# Altium PCB roach2.PcbDoc (part 33 of 39)
Units mil, origin at the board's own origin, x right, y up, seen from the top; angles counter-clockwise.
Board outline 12007.87 x 9606.3 mil, 16 copper layers (L1_TOP, L2_G, L3_S, L4_G, L5_S, L6_P, L7_G, L8_R, L9_R, L10_P, L11_P, L12_S, L13_P, L14_S, L15_G, L16_BOT), stack 81.651 mil thick; 1608 components, 1934 nets, 9335 pads, 6759 vias.
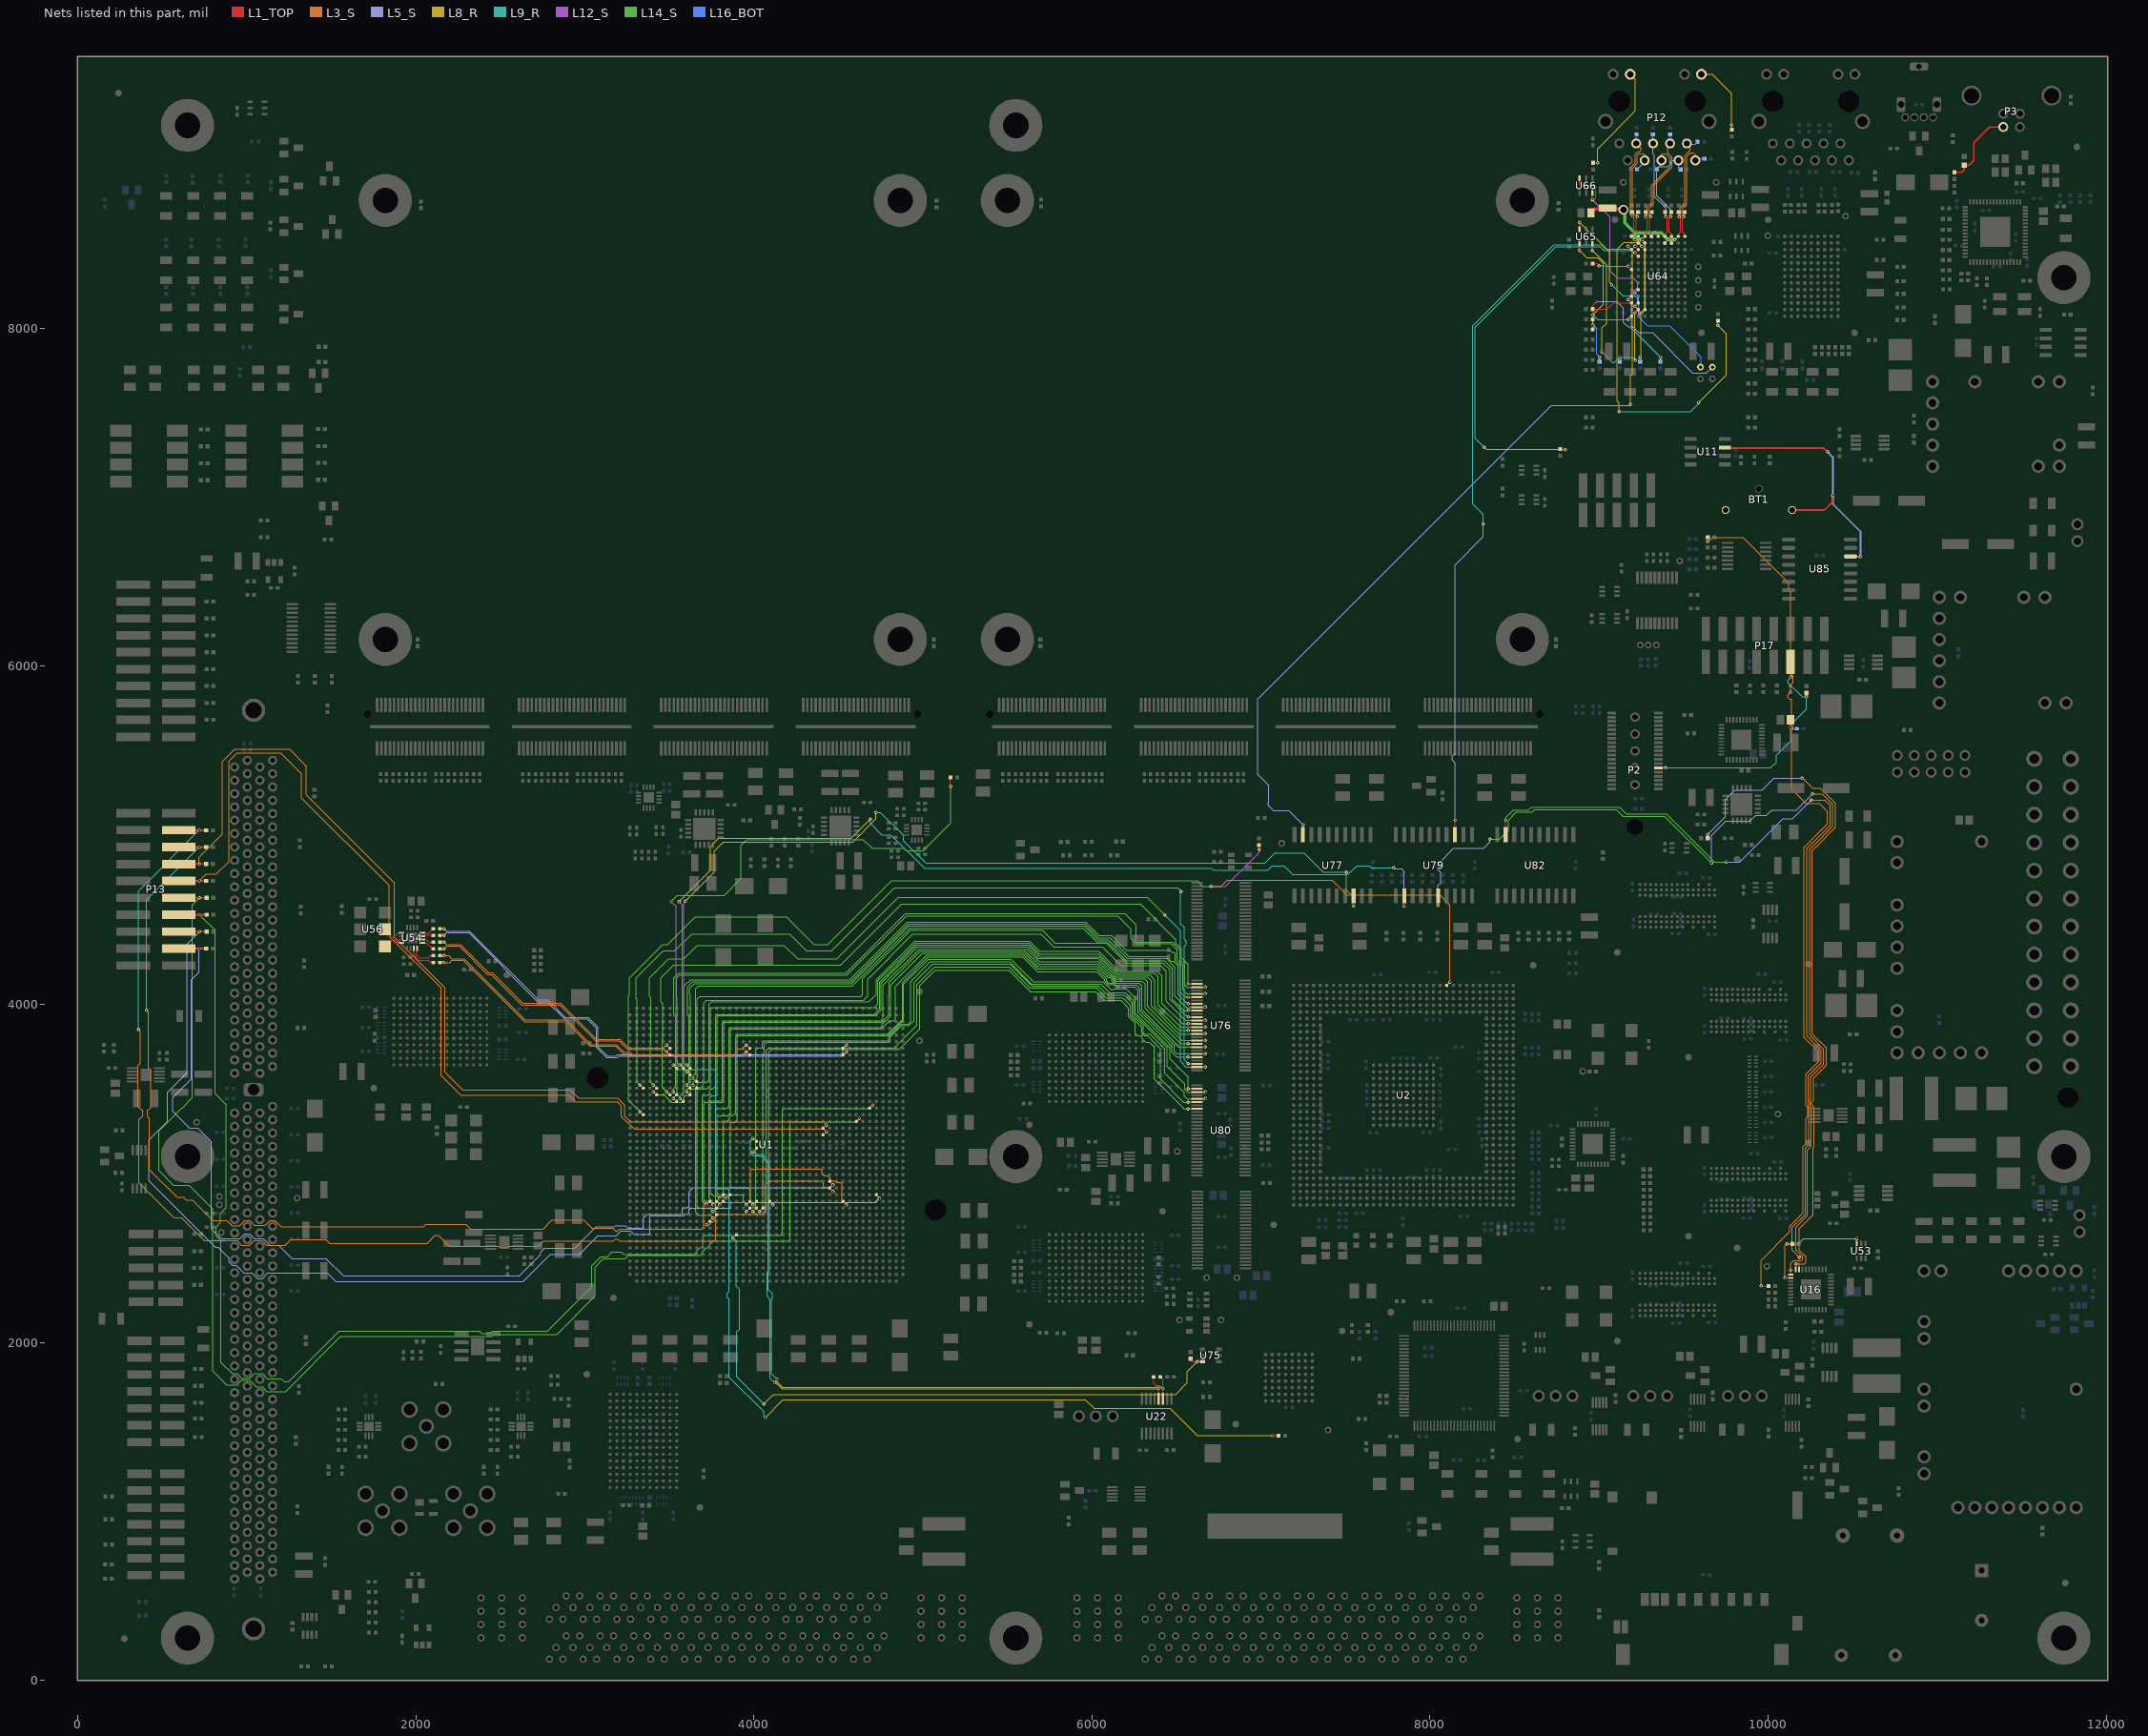
[diagram p47: the nets of this part, all layers, seen from the top]

## Via types
v1: diameter 19.4, hole 10, L1_TOP to L16_BOT, tented both sides, 3354 vias
v2: diameter 19.4, hole 10, L1_TOP to L16_BOT, 1884 vias
v3: diameter 19.4, hole 10, L1_TOP to L16_BOT, tented top, 410 vias
v4: diameter 18.6, hole 10, L1_TOP to L16_BOT, tented both sides, 311 vias
v5: diameter 59.06, hole 39.37, L1_TOP to L16_BOT, 217 vias
v6: diameter 19, hole 10, L1_TOP to L16_BOT, 198 vias
v7: diameter 19.4, hole 10.04, L1_TOP to L16_BOT, 125 vias
v8: diameter 19.4, hole 10, L1_TOP to L16_BOT, tented bottom, 80 vias
v9: diameter 25.98, hole 12.99, L1_TOP to L16_BOT, tented top, 59 vias
v10: diameter 20, hole 10, L1_TOP to L16_BOT, 52 vias
v11: diameter 59.06, hole 39.37, L1_TOP to L16_BOT, tented top, 44 vias
v12: diameter 20, hole 10, L1_TOP to L16_BOT, tented top, 16 vias
v13: diameter 19, hole 10, L1_TOP to L16_BOT, tented top, 5 vias
v14: diameter 50, hole 28, L1_TOP to L16_BOT, 4 vias

## Nets (pads, with @x,y where several pads share a name; then routed paths per layer and width w, separated by ;. In a path a pad name is that pad's centre, name@x,y a point inside that pad or via, vN(x,y) a via of type N, cw(c..) or ccw(c..) an arc to the next point about the centre after c; other vN are vias at no path point) (continued)
V6_GPIO8: P13.17 SP28.2 U1.M28 | length 7189.3
  L1_TOP w5: U1.M28@4447.92,2911.85 v1(4467.61,2892.16)
  L1_TOP w10: P13.17@598.03,5030.79 598.82,5030 v6(719,5030) SP28.2@760,5030
  L3_S w3.8: v6(360,3852) 371.39,3840.61 371.39,3652.14 357.79,3638.54 357.79,3395.8 384.77,3368.82 384.77,3339.47 362.99,3317.69 362.99,2942.99 568.99,2736.99 612.99,2736.99 747.55,2602.44 942.05,2602.44 969.6,2574.89 1016.85,2574.89 1044.4,2602.44 1091.66,2602.44 1119.2,2574.89 1229.57,2574.89 1263.1,2608.42 1467.67,2608.42 1489.09,2586.99 1640.99,2586.99 ; 1637.99,2586.99 1640.99,2586.99 ; v1(4467.61,2892.16) 4444.21,2915.56 4422.14,2915.56 4412.64,2925.07 4412.64,2940.86 4398.56,2954.93 4087.9,2954.93 4071.19,2938.22 4071.19,2783.19 4046.08,2758.08 3788.62,2758.08 3774.91,2744.38 3774.91,2610.48 3765.41,2600.97 3759.31,2600.97 3758.94,2600.6 3206.43,2600.6 3194.54,2612.49 3181.62,2612.49 3169.73,2600.6 2757.57,2600.6 2725.96,2568.99 2553.04,2568.99 2544.01,2559.96 2503.53,2559.96 2494.5,2568.99 2196.99,2568.99 2132.99,2632.99 2114.99,2632.99 2068.99,2586.99 1640.99,2586.99
  L9_R w3.8: v6(360,3852) 360,4671 v6(719,5030)
V6_GPIO9: P13.15 SP27.2 U1.K30 | length 7124.8
  L1_TOP w5: U1.K30@4526.66,2833.11 v1(4546.35,2813.42)
  L1_TOP w10: P13.15@598.82,4930 v6(719,4930) SP27.2@760,4930
  L3_S w3.8: v6(408,3964) 418.79,3953.21 418.79,3623.25 432.59,3609.45 432.59,3390.52 414.12,3372.05 414.12,3336.24 424.99,3325.36 424.99,3020.99 586.99,2858.99 624.99,2858.99 642.99,2840.99 678.99,2840.99 799.98,2720 880.07,2720 911.1,2688.98 957.56,2688.98 989.13,2720.55 1016.85,2720.55 1044.4,2693 1111.19,2693 1138.74,2720.55 1166.46,2720.55 1202.01,2684.99 2044.99,2684.99 2058.99,2698.99 2296.99,2698.99 2324.99,2670.99 2752.99,2670.99 2804.99,2722.99 2992.99,2722.99 3040.99,2674.99 3166.65,2674.99 3181.62,2660.03 3194.54,2660.03 3206.05,2671.54 3693.54,2671.54 3703.97,2681.97 3703.97,2819.89 3713.11,2829.02 3962.26,2829.02 ; 3962.29,2828.99 3974.99,2828.99 3979.56,2833.56 3979.56,3016.74 3988.7,3025.87 4395.33,3025.87 4404.47,3016.74 4404.47,2999.43 4417.39,2986.5 4437.13,2986.5 4452,2971.64 4452,2964.45 4461.51,2954.93 4477.3,2954.93 4485.1,2947.13 4513.44,2947.13 4522.58,2938 4522.58,2837.19 v1(4546.35,2813.42)
  L9_R w3.8: v6(408,3964) 408,4619 v6(719,4930)
V6_GPIO10: P13.13 SP26.2 U1.N19 | length 5993.7
  L1_TOP w5: U1.N19@4408.55,3266.18 4409.77,3267.4 v1(4428.24,3285.87)
  L1_TOP w10: P13.13@598.82,4830 v6(719,4830) SP26.2@760,4830
  L3_S w3.8: v6(719,4830) 719,4869 856.99,5006.99 856.99,5436.99 928.99,5508.99 1252.99,5508.99 1352.99,5408.99 1352.99,5238.99 1874.99,4716.99 1874.99,4395.01 2172.99,4097.01 2172.99,3596.99 2276.99,3492.99 2914.99,3492.99 2962.99,3444.99 3194.99,3444.99 3236.99,3402.99 3236.99,3338.99 3270.99,3304.99 4409.11,3304.99 v1(4428.24,3285.87)
V6_GPIO11: P13.11 SP25.2 U1.N20 | length 6085.9
  L1_TOP w5: U1.N20@4408.55,3226.81 4409.77,3228.03 v1(4428.24,3246.5)
  L1_TOP w10: P13.11@598.82,4730 v6(719,4730) SP25.2@760,4730
  L3_S w3.8: v6(719,4730) 759,4770 819,4770 894.73,4845.73 894.73,5438.73 942.99,5486.99 1200.99,5486.99 1324.99,5362.99 1324.99,5220.99 1842.99,4702.99 1842.99,4402.01 2148.99,4096.01 2148.99,3578.99 2264.99,3462.99 2906.99,3462.99 2946.99,3422.99 3192.99,3422.99 3216.99,3398.99 3216.99,3336.99 3291.89,3262.1 4412.64,3262.1 v1(4428.24,3246.5)
V6_GPIO12: P13.9 SP46.2 U1.H18 | length 8358.8
  L1_TOP w5: U1.H18@4605.4,3305.55 v1(4625.09,3325.24)
  L1_TOP w10: P13.9@599.45,4630 v6(719.63,4630) SP46.2@760.63,4630
  L14_S w3.94: v6(719.63,4630) 678,4588.37 678,3447.45 618.05,3387.5 617.5,3387.5 480,3250 480,3017 566,2931 659,2931 800,2790 800,1829 880.95,1748.05 942.08,1748.05 969.76,1775.73 1016.88,1775.73 1056.25,1736.36 1091.68,1736.36 1119.37,1708.68 1229.68,1708.68 1556,2035 2450,2035 2463,2048 2835,2048 3061.32,2274.32 3061.32,2445.32 3110.45,2494.45 3238.45,2494.45 3258.13,2514.13 3684.13,2514.13 3695.87,2525.87 3695.87,2536.29 3721.12,2561.54 3728.41,2561.54 3735.24,2568.37 3735.24,2575.66 3759.58,2600 4204,2600 4215.72,2611.72 4215.72,3301.72 4220,3306 4605.85,3306 v1(4625.09,3325.24)
V6_GPIO13: P13.7 SP45.2 U1.F16 | length 8094.1
  L1_TOP w5: U1.F16@4684.14,3384.29 v1(4703.83,3403.98)
  L1_TOP w10: P13.7@601.82,4530 v6(722,4530) SP45.2@763,4530
  L14_S w3.94: v6(722,4530) 812.53,4439.47 812.53,3471.47 878.35,3405.65 878.35,2797.35 844,2763 844,2709 818,2683 818,2631 847.01,2601.99 847.01,1881.99 913.9,1815.1 942.08,1815.1 969.76,1787.42 1016.88,1787.42 1044.56,1815.1 1091.68,1815.1 1120.79,1786 1204,1786 1222,1768 1249,1768 1547,2066 2377,2066 2390,2053 2442,2053 2455,2066 2779,2066 3041,2328 3041,2454 3095,2508 3134,2508 3160,2534 3215,2534 3226.93,2522.07 3648.07,2522.07 3664.54,2538.54 3664.54,2544.32 3673.71,2553.5 3679.5,2553.5 3699,2573 3699,2621 3713,2635 4157,2635 4168.58,2646.58 4168.58,3371.58
  L14_S w5: 4168.58,3371.58 4180,3383 4682.85,3383 v1(4703.83,3403.98)
V6_GPIO14: P13.5 SP44.2 U1.E29 | length 6696
  L1_TOP w5: U1.E29@4723.51,2872.48 v1(4743.2,2852.79)
  L1_TOP w10: P13.5@601.82,4430 v6(722,4430) SP44.2@763,4430
  L5_S w3.94: v6(722,4430) 648,4356 648,3595 533,3480 533,3307 423,3197 423,2954.21 814.89,2562.32 831.68,2562.32 894.66,2499.34 894.66,2476.35 914.3,2456.71 937.29,2456.71 984,2410 1031.88,2410 1063.91,2377.97 1091.68,2377.97 1123.71,2410 1477,2410 1526,2361 2636,2361 2796,2521 2968,2521 3078,2631 3121.29,2631 3122.53,2632.24 3185.24,2632.24 3213,2660 3270,2660 3290,2640 3380,2640 3385,2645 3385,2745.45 3390,2750.45 3584.04,2750.45 3591.98,2758.39 3607.95,2758.39 3617.13,2767.56 3617.13,2786.13 3626,2795 3856,2795 3861.39,2800.39 3861.39,2819.91 3870.56,2829.09 4719.5,2829.09 v1(4743.2,2852.79)
V6_GPIO15: P13.3 SP43.2 U1.M27 | length 6193.4
  L1_TOP w5: U1.M27@4447.92,2951.22 v1(4467.61,2931.53)
  L1_TOP w10: P13.3@598.82,4330 v6(719,4330) SP43.2@760,4330
  L5_S w3.94: v6(719,4330) 719,4191 672,4144 672,3560 562,3450 562,3366 660,3268 710,3268 792,3186 792,2671.72 849.53,2614.19 961.42,2614.19 989.1,2641.87 1016.88,2641.87 1044.56,2614.19 1099.34,2614.19 1138.71,2574.82 1189.18,2574.82 1268,2496 1469,2496 1572,2393 2611.69,2393 2738.66,2519.97 2738.66,2535.66 2761,2558 2939,2558 3066,2685 3175.29,2685 3181.59,2691.3 3238.7,2691.3 3255,2675 3340,2675 3345,2680 3345,2735 3368.39,2758.39 3479,2758.39 3568.58,2758.39 3577.76,2767.56 3577.76,2793.76 3582,2798 3582.24,2797.76 3607.95,2797.76 3617.13,2806.93 3617.13,2890.62 3642.38,2915.87 4451.94,2915.87 v1(4467.61,2931.53)
V6_IRQN: R86.1 U1.AY17 U2.AD34 | length 7058
  L1_TOP w5: v1(3325.87,3364.61) 3345.24,3345.24 U1.AY17@3345.56,3344.92 ; v2(6988.99,4914.65) R86.1@6988.99,4941.31 ; U2.AD34@8098.9,4112.6 v1(8118.58,4132.28)
  L3_S w3.8: v2(6704.99,4697.99) 6763.99,4697.99 6801.29,4735.29 7420.69,4735.29 7508.99,4646.99 8056.99,4646.99 8118.58,4585.4 v1(8118.58,4132.28)
  L12_S w3.8: v2(6704.99,4697.99) 6789.99,4697.99 6988.99,4896.99 v2(6988.99,4914.65)
  L14_S w3.8: v1@3326.77,3366.14 3259.99,3432.92 3259.99,4053.99 3264.99,4058.99 3264.99,4156.99 3460.99,4352.99 3488.99,4352.99 3652.99,4516.99 4190.99,4516.99 4354.99,4352.99 4438.73,4352.99 4816.13,4730.39 6622.6,4730.39 6654.99,4697.99 v2(6704.99,4697.99)
V6_TCK: U1.AN10 U77.18 | length 5724.1
  L1_TOP w5: v1(3601.46,3640.2) 3620.83,3620.83 U1.AN10@3621.15,3620.51 ; v2(7547.99,4583.31) U77.18@7547.99,4641.89
  L8_R w3.8: v2(3594.99,4610.99) 3766.99,4782.99 3766.99,4906.99 3820.99,4960.99 4586.99,4960.99 4722.99,5096.99 v3(4722.99,5134.99)
  L9_R w3.8: v3(4722.99,5134.99) 4748.99,5134.99 4884.99,4998.99 4884.99,4966.99 5016.99,4834.99 6850.93,4834.99 6852.53,4836.59 6865.45,4836.59 6867.05,4834.99 7022.99,4834.99 7084.91,4896.91 7085.24,4896.59 7253.39,4896.59 7366.99,4782.99 v2(7504.99,4782.99)
  L12_S w3.8: v2(3594.99,4610.99) 3586.39,4602.39 3586.39,3789.52 3585.86,3788.99 3585.86,3655.8 v1(3601.46,3640.2)
  L14_S w3.8: v2(7504.99,4782.99) 7504.99,4674.99 7547.99,4631.99 v2(7547.99,4583.31)
V6_TDI: R478.2 U1.AP10 | length 3304.7
  L1_TOP w5: v1(3562.09,3640.2) 3581.46,3620.83 U1.AP10@3581.78,3620.51 ; R478.2@5163.31,5342.99 5163.31,5292.68 v2(5164.99,5290.99)
  L12_S w3.8: v2(3510.99,4608.99) 3540.99,4578.99 3540.99,3661.3 v1(3562.09,3640.2)
  L14_S w3.8: v2(3510.99,4608.99) 3546.99,4644.99 3824.99,4644.99 3924.99,4744.99 3924.99,4940.99 3958.99,4974.99 4646.99,4974.99 4698.99,4922.99 4775.93,4922.99 4776.53,4923.59 4886.39,4923.59 4900.99,4908.99 5000.99,4908.99 5164.99,5072.99 v2(5164.99,5290.99)
V6_TDO: R479.1 U1.AR10 | length 5678
  L1_TOP w5: v1(3522.72,3640.2) 3542.09,3620.83 U1.AR10@3542.41,3620.51 ; v2@7071.31,1447.99 R479.1@7103.31,1447.99
  L8_R w3.8: v3(4066.99,1554.99) 4172.99,1660.99 5960.99,1660.99 6012.99,1608.99 6462.99,1608.99 6623.99,1447.99 v2(7069.31,1447.99)
  L9_R w3.8: v1(3522.72,3640.2) 3546.49,3616.43 3765.41,3616.43 3774.54,3607.29 3774.54,2923.45 3772.92,2921.82 3772.92,2921.07 3782.99,2910.99 3840.99,2910.99 3853.28,2898.7 3853.28,2299.9 3841.77,2288.39 3841.77,2266.33 3853.28,2254.81 3853.28,1794.7 4058.99,1588.99 4058.99,1562.99 v3(4066.99,1554.99)
V6_THERM_N: C611.1 U1.AC21 U22.4 | length 3999.6
  L1_TOP w5: v1(3995.16,3207.13) 4014.53,3187.76 U1.AC21@4014.85,3187.44 ; C611.1@6365.31,1795 6365.31,1756.67 v2(6394.99,1726.99) 6395.49,1726.49 U22.4@6395.49,1665.35
  L8_R w3.8: v3(4123.48,1761.48) 4131.28,1761.48 4165.76,1726.99 v2(6394.99,1726.99)
  L9_R w3.8: v1(3995.16,3207.13) 3979.56,3191.53 3979.56,3121.92 3996.87,3104.61 4041,3104.61 4085.48,3060.13 4085.48,2422.51 4077.99,2415.02 4077.99,2271.99 4096.99,2252.99 4096.99,1787.96 v3(4123.48,1761.48)
V6_THERM_P: C611.2 U1.AC22 U22.3 | length 3925.8
  L1_TOP w5: v1(3995.16,3128.38) U1.AC22@4014.85,3148.07 ; C611.2@6404.69,1795 6419.99,1779.69 v2(6419.99,1726.99) 6420.49,1726.49 U22.3@6420.49,1665.35
  L8_R w3.8: v2(4137.11,1780.94) 4140.02,1778.02 4139.08,1777.08 4139.08,1764.71 4168.99,1734.79 6380.73,1734.79 6388.53,1742.59 6401.45,1742.59 6417.05,1726.99 v2(6419.99,1726.99)
  L9_R w3.8: v1@3995.16,3122.24 v1@3995.16,3126.82 ; v1(3995.16,3128.38) v1@3995.16,3126.82 ; v2(4137.11,1780.94) 4104.79,1813.25 4104.79,2252.99 4109.19,2257.39 4109.19,2288.39 4085.79,2311.79 4085.79,2411.79 4093.28,2419.28 4093.28,3063.36 4044.23,3112.41 4009.57,3112.41 v1@3995.16,3126.82
V6_TMS: U1.AN11 U79.12 | length 6096.1
  L1_TOP w5: v1(3601.46,3600.83) 3620.83,3581.46 U1.AN11@3621.15,3581.14 ; v3(7847.99,4583.31) U79.12@7847.99,4641.89
  L5_S w3.8: v2(7784.99,4806.99) 7790.99,4800.99 7832.99,4800.99 7847.99,4785.99 v3(7847.99,4583.31)
  L8_R w3.8: v2(3556.99,4606.99) 3742.99,4792.99 3742.99,4932.99 3792.99,4982.99 4574.99,4982.99 v3(4687.99,5095.99)
  L9_R w3.8: v3(4687.99,5095.99) 4687.99,5071.99 4756.39,5003.59 4774.45,5003.59 4775.05,5002.99 4810.99,5002.99 5008.99,4804.99 6706.93,4804.99 6718.93,4792.99 7039.79,4792.99 7065.39,4818.59 7136.59,4818.59 7186.19,4768.99 7496.93,4768.99 7498.53,4767.39 7515.39,4767.39 7566.59,4818.59 7641.45,4818.59 7653.06,4806.99 v2(7784.99,4806.99)
  L12_S w3.8: v2(3556.99,4606.99) 3578.59,4585.39 3578.59,3792.75 3577.69,3791.85 3577.69,3624.6 v1(3601.46,3600.83)
V6GETH_CLK25: R223.2 U64.H9 | length 247.4
  L1_TOP w5: R223.2@8960.99,8382.99 R223.2@8960.99,8384.99 ; R223.2@8962.68,8382.99 8987.01,8382.99 v2(9000,8370) ; v1(9173.23,8366.14) U64.H9@9192.91,8346.46
  L9_R w3.8: v2(9000,8370) 9038,8370 9041.86,8366.14 v1(9173.23,8366.14)
V6LED_ACTIVITY: P12.13 R396.2 | length 657.8
  L1_TOP w5: R396.2@8964.99,8978.68 v2(8990.99,8978.68) v2@8992.99,8978.68
  L8_R w3.8: v2(8990.99,8978.68) 8990.99,9060.99 9214.99,9284.99 9214.99,9471.81 P12.13@9183.97,9502.83
V6LED_DUPLEX: TP7.1 U64.E8 | length 705.8
  L1_TOP w5: v1(9212.6,8208.66) U64.E8@9232.28,8228.35
  L16_BOT w5: v1(9212.6,8208.66) 9232.99,8188.27 9232.99,8068.99 9286.99,8014.99 9417.26,8014.99 9602.99,7829.26 9602.99,7772.99 TP7.1@9600,7770
V6LED_LINK: P12.11 R391.2 | length 439.3
  L1_TOP w5: R391.2@9784.99,9174.68 v2(9784.99,9201.26)
  L8_R w3.8: P12.11@9606.02,9502.83 9669.15,9502.83 9784.99,9386.99 v2(9784.99,9201.26)
V6LED_LINK10: R415.1 U64.C8 U65.6 | length 1101.2
  L1_TOP w5: U65.6@8885.59,8586.3 v2(8885.59,8626.3) v2@8885.59,8628.3 ; v1(9212.6,8129.92) U64.C8@9232.28,8149.61
  L8_R w3.8: v2(8885.59,8626.3) 9060.99,8450.9 9060.99,8270.99 v2(9074.99,8256.99) ; v1(9212.6,8129.92) 9236.37,8106.15 9236.37,8084.09 9248.59,8071.86 9248.59,7834.86 v2(9242.99,7829.26)
  L9_R w3.8: v2(9074.99,8256.99) 9140.99,8190.99 9212.96,8190.99 9228.2,8175.75 9228.2,8145.52 v1(9212.6,8129.92)
  L16_BOT w5: R415.1@9242.99,7802.68 v2(9242.99,7829.26)
V6LED_LINK100: R412.1 U64.B8 U65.3 | length 1267.2
  L1_TOP w5: v2@8960.39,8457.68 v2(8960.39,8459.68) U65.3@8960.39,8499.68 ; v1(9212.6,8090.55) U64.B8@9232.28,8110.24
  L8_R w3.8: v2(8960.39,8459.68) 8961.33,8459.68 9044.99,8376.02 9044.99,8028.99 9018,8002 9018,7868 9014,7864 v2(9018,7860) ; v2@9212.6,7813.39 v1(9212.6,8090.55)
  L9_R w3.8: v2(9018,7860) 9080.18,7797.82 9091.55,7797.82 v2(9122.99,7829.26) 9196.72,7829.26 9213.95,7812.03 v2(9213.95,7810.03)
  L16_BOT w5: R412.1@9122.99,7802.68 v2(9122.99,7829.26)
V6LED_LINK1000: R404.1 R405.1 R407.1 U64.A9 U65.1 | length 1143.1
  L1_TOP w5: v2@8885.59,8457.68 v2(8885.59,8459.68) U65.1@8885.59,8499.68 ; R405.1@8962.68,7992.99 v2(8962.68,8018.99) v2@8962.68,8020.99 ; R404.1@8962.68,8052.99 v2(8962.68,8078.99) v2@8962.68,8080.99 ; v1(9173.23,8051.18) U64.A9@9192.91,8070.87
  L8_R w3.8: v2(8885.59,8459.68) 8928.28,8416.99 8992.99,8416.99 9024.99,8384.99 9024.99,8141.31 v2(8962.68,8078.99) v2(8962.68,8018.99)
  L9_R w3.8: v2(8962.68,8078.99) 8990.49,8051.18 v1(9173.23,8051.18)
  L16_BOT w5: v2(8962.68,8018.99) 8985.63,7996.04 8985.63,7846.63 v2(9002.99,7829.26) R407.1@9002.99,7802.68
V6LED_RX: R403.1 TP5.1 U64.C9 | length 1220.7
  L1_TOP w6: v6(8985,8157) 8962.68,8134.68 R403.1@8962.68,8112.99 9046.99,8112.99 9083.61,8149.61 U64.C9@9192.91,8149.61
  L5_S w3.8: v6(8985,8157) 9105,8157 9144,8118 9144,8035 9171,8008 9201,8008 9235,7974 9316,7974 9554,7736 9636,7736 TP5.1@9670,7770
V6LED_TX: R416.1 U64.D9 U66.3 U66.6 | length 1525.1
  L1_TOP w5: U66.6@8885.59,8886.3 8885.59,8852.41 8899,8839 8970,8839 8981,8828 8981,8768 8972.68,8759.68 v2(8960.39,8759.68) ; v2@8960.39,8757.68 v2(8960.39,8759.68) ; U66.3@8960.39,8799.68 v2(8960.39,8759.68) ; v1(9173.23,8169.29) U64.D9@9192.91,8188.98
  L12_S w3.8: v2(8960.39,8759.68) 9064.12,8655.95 9064.12,8355.86 9066.99,8352.99 9066.99,8336.99 9106.99,8296.99 9202.99,8296.99 9228.2,8271.79 9228.2,8241.57 9213.62,8226.99 9202.99,8226.99 9190.99,8214.99 9190.99,8187.05 v1(9173.23,8169.29)
  L16_BOT w5: v1(9173.23,8169.29) 9190.99,8151.53 9190.99,8001.26 v2(9362.99,7829.26) R416.1@9362.99,7802.68
V6MDI_0_N: P12.2 R389.2 SP18.2 U64.N2 | length 697
  L1_TOP w5: U64.N2@9468.5,8543.31 9468.5,8556.99 9481.69,8570.18 9481.69,8612.99 ; R389.2@9470.99,8687.31 9474.49,8683.81 v2(9474.49,8658.99) 9481.69,8651.79 9481.69,8612.99 ; 9481.69,8615.79 9481.69,8612.99
  L3_S w3.8: v2@9472,8658.99 9473.24,8660.24 9478.99,8665.98 9478.99,8714.99 9506.99,8742.99 9506.99,9019.68 9538.99,9051.68 9538.99,9066.99 9519.8,9086.19 P12.2@9519.8,9092.99
  L16_BOT w5: P12.2@9519.8,9092.99 9523.8,9088.99 9568.99,9088.99 SP18.2@9582.99,9102.99
V6MDI_0_P: P12.1 R390.2 SP17.2 U64.N1 | length 696.5
  L1_TOP w5: R390.2@9506.99,8687.31 9501.89,8682.2 v2(9501.89,8658.99) 9494.69,8651.79 9494.69,8570.18 9507.87,8556.99 U64.N1@9507.87,8543.31
  L3_S w3.8: v2@9499.4,8658.99 9499.4,8659.31 9490.79,8667.92 9490.79,8706.79 9518.99,8734.99 9518.99,9014.99 9542.99,9038.99 9556.99,9038.99 9569.8,9026.19 P12.1@9569.8,8992.99
  L16_BOT w5: P12.1@9579.8,8982.99 P12.1@9569.8,8992.99 9579.8,9002.99 SP17.2@9622.99,9002.99
V6MDI_1_N: P12.6 R387.2 SP22.2 U64.N4 | length 693.1
  L1_TOP w5: U64.N4@9389.76,8543.31 9389.76,8556.99 9402.95,8570.18 9402.95,8612.99 ; R387.2@9390.99,8687.31 9392.25,8687.31 9395.75,8683.81 v2(9395.75,8658.99) 9402.95,8651.79 9402.95,8612.99 ; 9402.95,8615.79 9402.95,8612.99
  L5_S w3.8: P12.6@9311.8,9092.99 9315.8,9088.99 P12.6@9318.99,9085.8 ; P12.6@9319.8,9092.99 9318.99,9092.19 P12.6@9318.99,9085.8 ; v2(9395.75,8658.99) 9395.75,8712.3 9328.5,8779.55 9328.5,9021.48 9318.99,9030.99 P12.6@9318.99,9085.8
  L16_BOT w5: P12.6@9319.8,9092.99 9319.8,9145.99 SP22.2@9319.8,9151.8
V6MDI_1_P: P12.3 R388.2 SP19.2 U64.N3 | length 690.7
  L1_TOP w5: R388.2@9428.25,8687.31 9427.62,8686.68 9423.15,8682.2 v2(9423.15,8658.99) 9415.95,8651.79 9415.95,8570.18 9429.13,8556.99 U64.N3@9429.13,8543.31
  L5_S w3.8: 9412.86,8711.88 9411.03,8713.71 ; v2(9423.15,8658.99) 9423.15,8701.59 9411.03,8713.71 ; P12.3@9469.8,8992.99 9432.99,8992.99 9424.99,8984.99 9424.99,8972.99 9406.99,8954.99 9352.99,8954.99 9340.3,8942.3 9340.3,8784.44 9411.03,8713.71
  L16_BOT w5: P12.3@9469.8,8992.99 9469.8,8951.19 9477.99,8942.99 9481.99,8942.99 SP19.2@9482.99,8942.99
V6MDI_2_N: P12.5 R385.2 SP21.2 U64.N7 | length 721.1
  L1_TOP w5: U64.N7@9271.65,8543.31 9271.65,8556.99 9284.84,8570.18 9284.84,8612.99 ; R385.2@9274.14,8687.31 9274.57,8686.88 9277.64,8683.81 v2(9277.64,8658.99) 9284.84,8651.79 9284.84,8612.99 ; 9284.84,8615.79 9284.84,8612.99
  L3_S w3.8: v2@9275.15,8658.99 9276.39,8660.24 9281.19,8665.03 9281.19,8715.19 9310.99,8744.99 9310.99,8846.99 9420.99,8956.99 9420.99,9004.99 9394.99,9030.99 9374.99,9030.99 9369.8,9025.8 P12.5@9369.8,8992.99
  L16_BOT w5: SP21.2@9342.99,8942.99 9369.8,8969.8 P12.5@9369.8,8992.99
V6MDI_2_P: P12.4 R386.2 SP20.2 U64.N6 | length 711.1
  L1_TOP w5: R386.2@9310.14,8687.31 9305.04,8682.2 v2(9305.04,8658.99) 9297.84,8651.79 9297.84,8570.18 9311.02,8556.99 U64.N6@9311.02,8543.31
  L3_S w3.8: v2@9302.55,8658.99 9302.55,8659.31 9292.99,8668.87 9292.99,8710.99 9322.99,8740.99 9322.99,8842.3 9432.99,8952.3 9432.99,9010.99 9406.99,9036.99 9406.99,9080.19 P12.4@9414.99,9088.19
  L16_BOT w5: P12.4@9419.8,9092.99 9422.99,9096.19 SP20.2@9422.99,9142.99
V6MDI_3_N: P12.8 R383.2 SP24.2 U64.N9 | length 676.6
  L1_TOP w5: U64.N9@9192.91,8543.31 9192.91,8556.99 9206.1,8570.18 9206.1,8612.99 ; R383.2@9195.4,8687.31 9198.9,8683.81 v2(9198.9,8658.99) 9206.1,8651.79 9206.1,8612.99 ; 9206.1,8615.79 9206.1,8612.99
  L3_S w3.8: v2@9196.41,8658.99 9184.99,8670.41 9184.99,8949.68 9214.99,8979.68 9214.99,9028.99 9228.99,9042.99 9238.99,9042.99 9248.99,9052.99 9248.99,9063.8 P12.8@9230.1,9082.68
  L16_BOT w5: P12.8@9219.8,9092.99 9219.8,9139.8 SP24.2@9222.99,9142.99
V6MDI_3_P: P12.7 R384.2 SP23.2 U64.N8 | length 698.7
  L1_TOP w5: R384.2@9231.4,8687.31 9231.2,8687.1 9226.3,8682.2 v2(9226.3,8658.99) 9219.1,8651.79 9219.1,8570.18 9232.28,8556.99 U64.N8@9232.28,8543.31
  L3_S w3.8: v2@9223.81,8658.99 9223.81,8659.31 9204.53,8678.59 9204.21,8678.59 9196.99,8685.81 9196.99,8944.99 9226.79,8974.79 9226.79,9024.79 9234.99,9032.99 9262.99,9032.99 9269.8,9026.19 P12.7@9269.8,8992.99
  L16_BOT w5: SP23.2@9222.99,8942.99 9223.99,8942.99 9227.99,8942.99 9269.8,8984.8 P12.7@9269.8,8992.99
V6NET_AVDD: C679.2 C680.2 C681.2 C682.2 C683.2 C684.2 L24.2 U64.B7 U64.M3 U64.M4 U64.M7 U64.M8 U64.N5 | length 1444.4
  L1_TOP w5: v1(9212.6,8523.62) U64.M8@9232.28,8503.94 ; v1(9251.97,8090.55) U64.B7@9271.65,8110.24 ; v1(9251.97,8523.62) U64.M7@9271.65,8503.94 ; v1(9330.71,8562.99) U64.N5@9350.39,8543.31 ; U64.M4@9389.76,8503.94 v1(9409.45,8523.62) ; U64.M3@9429.13,8503.94 v1(9448.82,8523.62)
  L1_TOP w20: L24.2@8952.52,8682.99 8975.37,8705.84 9050.99,8705.84 9140.14,8705.84 v5(9144.99,8700.99)
  L8_R w8: v1(9251.97,8090.55) 9270.99,8109.57 9270.99,8504.6 v1(9251.97,8523.62)